# Altium PCB KORUZA_RPi_shield.PcbDoc
Units mil, origin at the board's own origin, x right, y up, seen from the top; angles counter-clockwise.
Board outline 2562.17 x 2565 mil, 2 copper layers (Top Layer, Bottom Layer); 72 components, 65 nets, 278 pads, 144 vias.
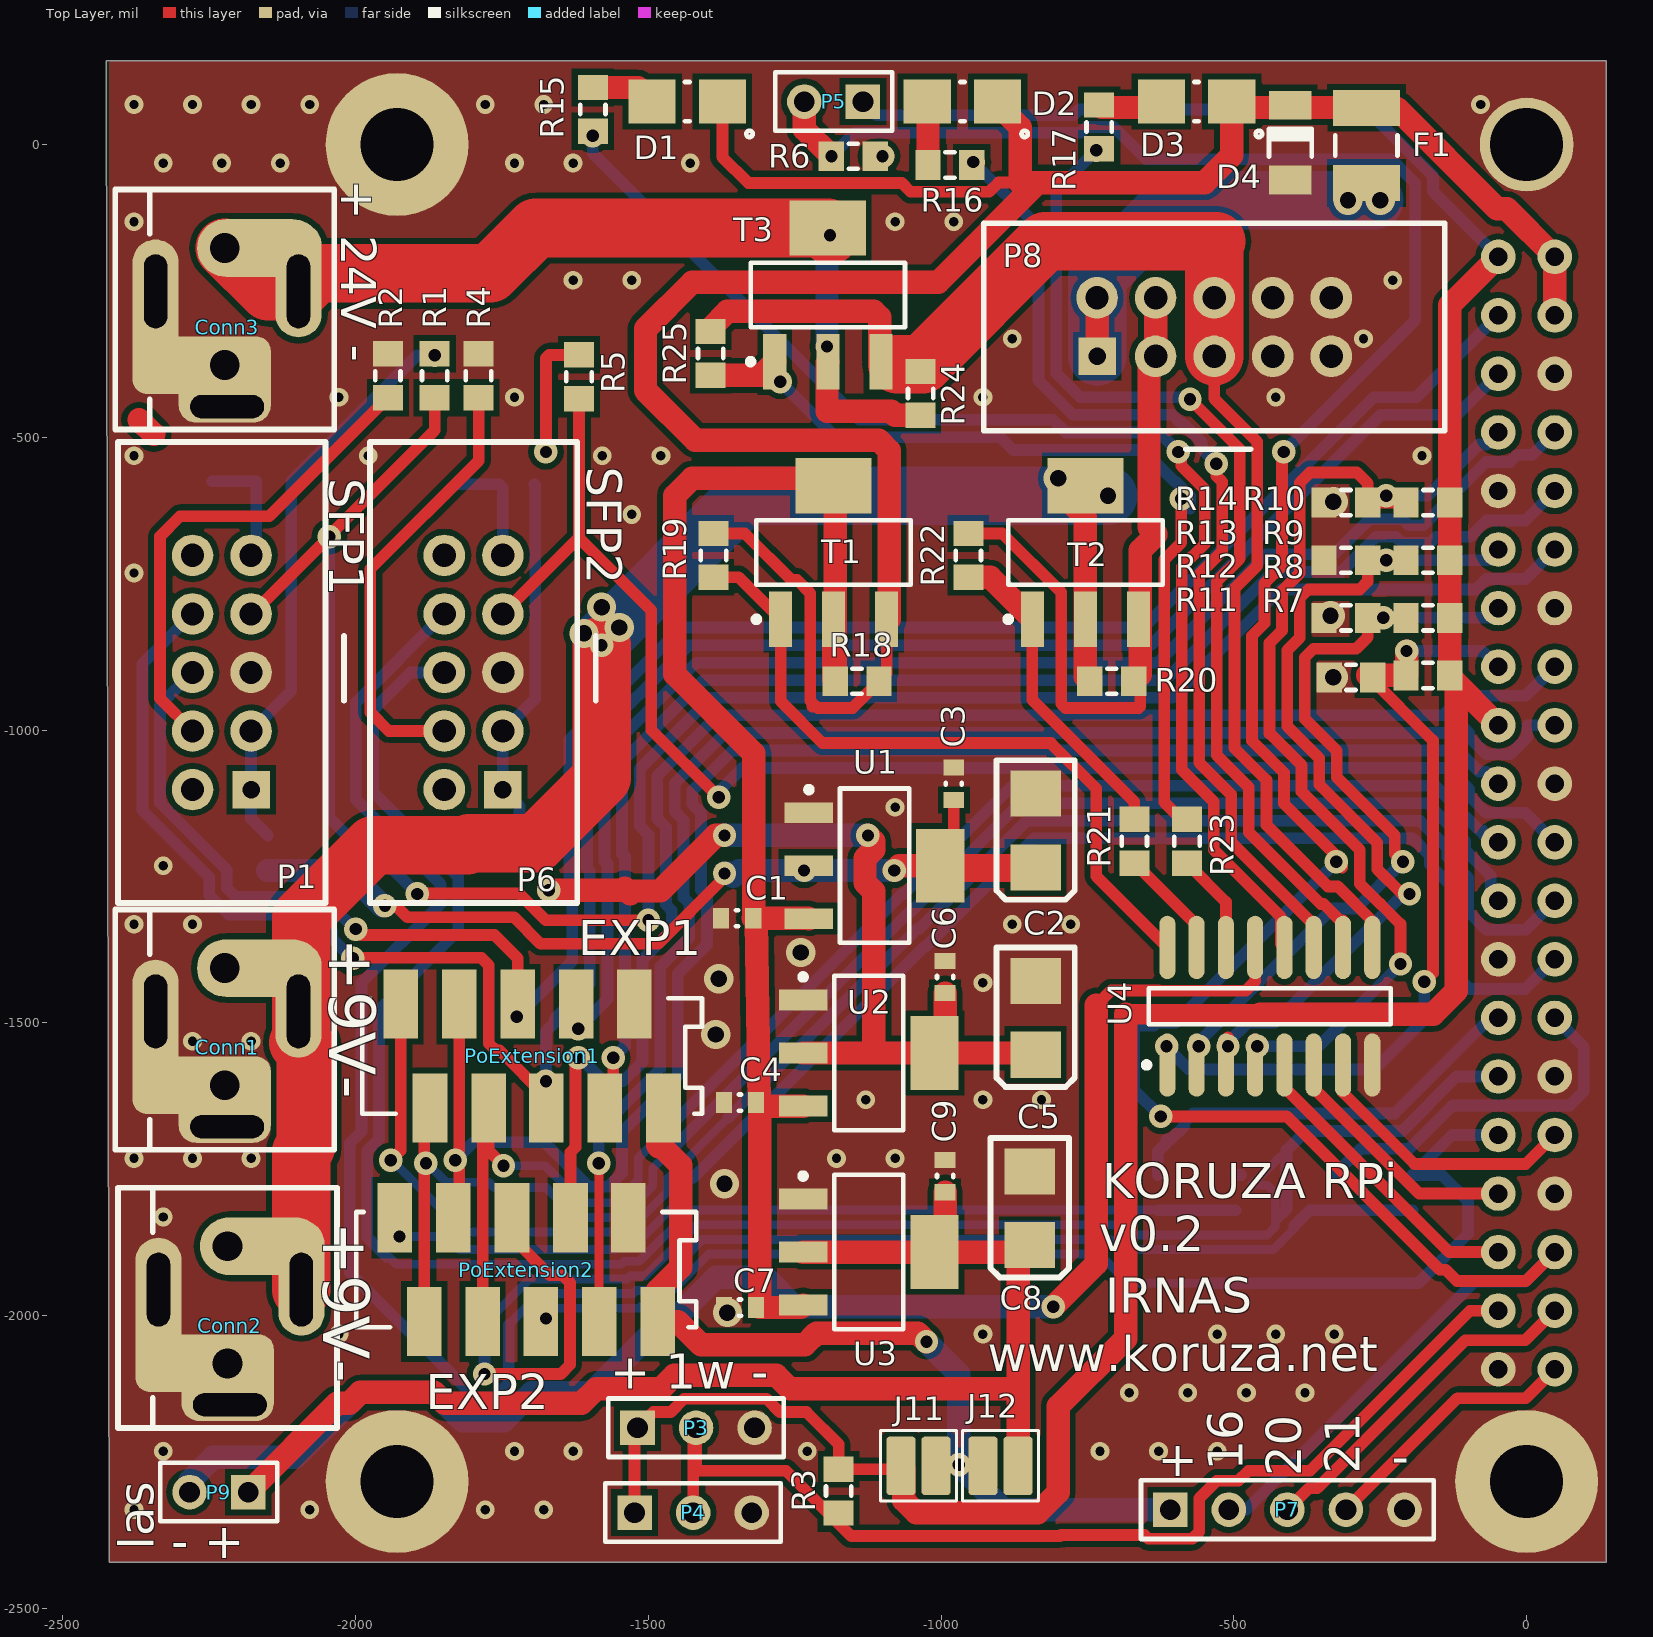
[diagram p0: Top Layer view]
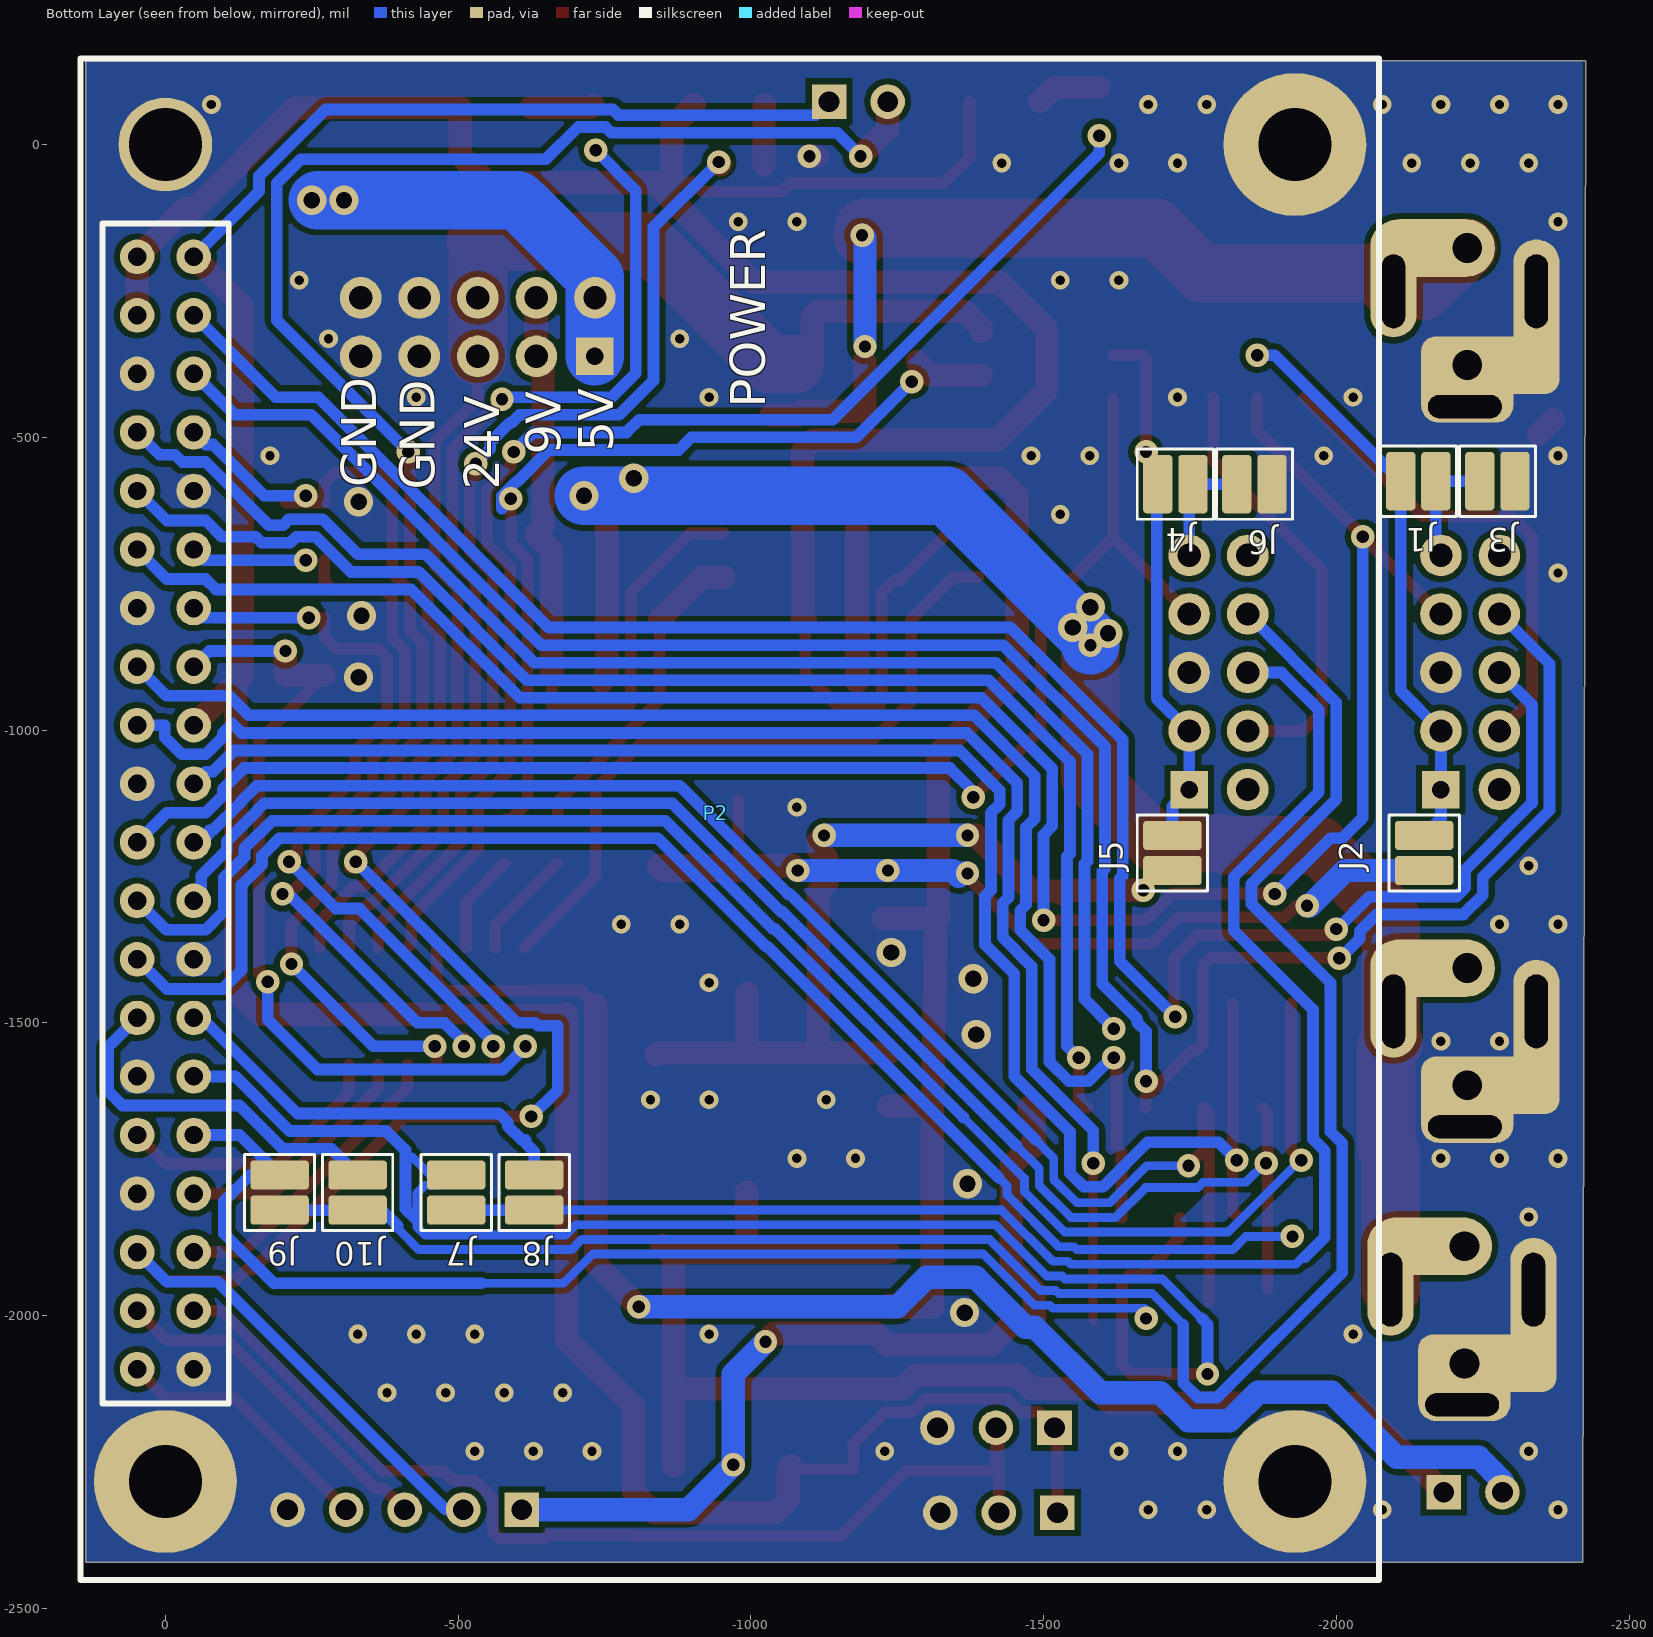
[diagram p1: Bottom Layer view, seen from below]

## Layer stack, top to bottom
Top Solder: solder mask 0.4, Solder Resist, Dk 3.5
Top Layer: signal copper 1.4
Dielectric 1: dielectric 12.6, FR-4, Dk 4.8
Bottom Layer: signal copper 1.4
Bottom Solder: solder mask 0.4, Solder Resist, Dk 3.5

## Board outline
-2425.8,143.27 136.38,143.27 136.38,-2421.73 -2420.8,-2421.73

## Design rules (kind name [scope] priority, off if disabled: settings)
Clearance Clearance_1 [All] p1: gap=10
ComponentClearance ComponentClearance_1 [InComponent('P1')] p1: gap=0 collisioncheckmode=3 verticalgap=0 showdistances=FALSE
MinimumSolderMaskSliver SilkscreenOverComponentPads [All] p2: minsoldermaskwidth=10
PolygonConnect PolygonConnect_2 [IsVia] p1: connectstyle=Direct reliefconductorwidth=10 reliefentries=4 polygonreliefangle="90 Angle" airgapwidth=10
PolygonConnect [All] p2: connectstyle=Direct reliefconductorwidth=10 reliefentries=4 polygonreliefangle="90 Angle" airgapwidth=10
RoutingVias [All] p1: holewidth=21 width=40 viastyle="Through Hole" minholewidth=21 minwidth=30 maxholewidth=21 maxwidth=40
SolderMaskExpansion [All] p1: expansion=4
UnpouredPolygon [All] p1: allowunpoured=FALSE
Width [All] p1: maxlimit=100 minlimit=15 preferedwidth=40
28 further rules are at their usual default settings.

## Classes and differential pairs
component class KORUZA_RPi_shield_power: C1 C2 C3 C4 C5 C6 C7 C8 C9 Conn1 Conn2 Conn3 D4 F1 J11 J12 P8 P9 R18 R19 R20 R21 R22 R23 R24 R25 T1 T2 T3 U1 U2 U3 U4
component class KORUZA_RPi_shield: D1 D2 D3 J1 J2 J3 J4 J5 J6 J7 J8 J9 J10 P1 P2 P3 P4 P5 P6 P7 PoExtension1 PoExtension2 R1 R2 R3 R4 R5 R6 R7 R8 R9 R10 R11 R12 R13 R14 R15 R16 R17

## Components (designator, comment, footprint, x,y, rotation, side; value= is the part's Value field where it differs from the comment)
C1 "Capacitor" 0603 -1348.62,-1321.73 r180 top
C2 "TAJB106K020R" AVX-CAPC3528_V -838.62,-1171.73 r90 top
C3 "Capacitor" 0603 -978.62,-1091.73 r90 top
C4 "Capacitor" 0603 -1343.62,-1636.73 r180 top
C5 "TAJB106K020R" AVX-CAPC3528_V -838.62,-1491.73 r90 top
C6 "Capacitor" 0603 -993.62,-1421.73 r90 top
C7 "Capacitor" 0603 -1343.62,-1986.73 r180 top
C8 "TAJB106K020R" AVX-CAPC3528_V -848.62,-1816.73 r90 top
C9 "Capacitor" 0603 -993.62,-1761.73 r90 top
Conn1 "DC power input" "MKDSN 2,5/ 2-5,08 and powercon" -2223.62,-1606.73 r180 top
Conn2 "DC power input" "MKDSN 2,5/ 2-5,08 and powercon" -2218.62,-2081.73 r180 top
Conn3 "DC power input" "MKDSN 2,5/ 2-5,08 and powercon" -2223.62,-376.73 r180 top
D1 "LED" "1206/0805 diode" -1433.62,73.27 r180 top
D2 "LED" "1206/0805 diode" -963.62,73.27 r180 top
D3 "LED" "1206/0805 diode" -563.62,73.27 r180 top
D4 "Zener" DIOMELF3517N -403.62,3.27 r270 top
F1 "1A" 1210 -273.62,-1.73 r90 top
J1 "Jumper" JUMP1#1 -2140,-575 r0 bottom
J2 "Jumper" JUMP1#1 -2150,-1210 r90 bottom
J3 "Jumper" JUMP1#1 -2275,-575 r0 bottom
J4 "Jumper" JUMP1#1 -1725,-580 r0 bottom
J5 "Jumper" JUMP1#1 -1720,-1210 r90 bottom
J6 "Jumper" JUMP1#1 -1860,-580 r0 bottom
J7 "Jumper" JUMP1#1 -496.67,-1790 r270 bottom
J8 "Jumper" JUMP1#1 -630,-1790 r90 bottom
J9 "Jumper" JUMP1#1 -195,-1790 r270 bottom
J10 "Jumper" JUMP1#1 -328.33,-1790 r90 bottom
J11 "Jumper" JUMP1#2 -1038.62,-2256.73 r0 top
J12 "Jumper" JUMP1#2 -898.62,-2256.73 r0 top
P1 "IDC10" IDC10 -2228.62,-901.73 r180 top
P2 "RaspberryPI 2B" RaspberryPI_B+ -2018.62,-1141.73 r180 bottom
P3 "Header 3" HDR1X3 -1518.62,-2191.73 r0 top
P4 "Header 3" HDR1X3 -1523.62,-2336.73 r0 top
P5 "Header 2" HDR1X2 -1133.62,73.27 r180 top
P6 "IDC10" IDC10 -1798.62,-901.73 r180 top
P7 "Header 5" HDR1X5 -608.62,-2331.73 r0 top
P8 "IDC10" IDC10 -533.62,-311.73 r90 top
P9 "Header 2" HDR1X2 -2183.62,-2301.73 r180 top
PoExtension1 "" 8-188275-0 -1698.62,-1556.73 r180 top
PoExtension2 "" 8-188275-0 -1708.62,-1921.73 r180 top
R1 "10k" RESC2012X06N -1865,-395 r270 top
R2 "0" RESC2012X06N -1945,-395 r270 top
R3 "4k7" RESC2012X06N -1175,-2300 r90 top
R4 "0" RESC2012X06N -1790,-395 r90 top
R5 "10k" RESC2012X06N -1618.62,-396.73 r270 top
R6 "4k7" RESC2012X06N -1150,-20 r180 top
R7 "10k" RESC2012X06N -168.62,-906.73 r0 top
R8 "10k" RESC2012X06N -168.62,-808.4 r0 top
R9 "10k" RESC2012X06N -168.62,-710.07 r0 top
R10 "10k" RESC2012X06N -168.62,-611.73 r0 top
R11 "10k" RESC2012X06N -300,-910 r0 top
R12 "10k" RESC2012X06N -308.62,-808.4 r0 top
R13 "10k" RESC2012X06N -308.62,-710.07 r0 top
R14 "10k" RESC2012X06N -308.62,-611.73 r0 top
R15 "1k" RESC2012X06N -1595,60 r90 top
R16 "1k" RESC2012X06N -985,-35 r180 top
R17 "1k" RESC2012X06N -730,30 r90 top
R18 "0" RESC2012X06N -1143.62,-916.73 r0 top
R19 "10k" RESC2012X06N -1388.62,-701.73 r90 top
R20 "0" RESC2012X06N -708.62,-916.73 r0 top
R21 "10k" RESC2012X06N -670,-1190 r90 top
R22 "10k" RESC2012X06N -953.62,-701.73 r90 top
R23 "10k" RESC2012X06N -580,-1190 r270 top
R24 "0" RESC2012X06N -1035,-425 r90 top
R25 "10k" RESC2012X06N -1393.62,-356.73 r90 top
T1 "NDT2955" SOT230P700X180-4N -1183.62,-696.73 r90 top
T2 "NDT2955" SOT230P700X180-4N -753.62,-696.73 r90 top
T3 "NDT2955" SOT230P700X180-4N -1193.62,-256.73 r90 top
U1 "LD1117S33TR" SOT-223_L -1113.62,-1231.73 r0 top
U2 "LD1117S33TR" SOT-223_L -1123.62,-1551.73 r0 top
U3 "LD1117S33TR" SOT-223_L -1123.62,-1891.73 r0 top
U4 "ULN2003" "SO-16 narrow" -438.62,-1471.73 r90 top

## Footprints (in the part's own frame and the unit in brackets; to place one, negate y for a bottom-side part, rotate by r counter-clockwise, add the part's x,y. Pads: shape width x height; smd on the part's side, far side on the other; paste and mask are expansions set on the pad)
8-188275-0 [mm] "Micro-Match Female-On-Board  10 Positions SMD"
  rect 1.5x3 smd: 1(-5.7,2.25) 2(-4.43,-2.25) 3(-3.16,2.25) 4(-1.92,-2.25) 5(-0.62,2.25) 6(0.62,-2.25) 7(1.89,2.25) 8(3.16,-2.25) 9(4.43,2.25) 10(5.7,-2.25)
  silkscreen extent -7.37,-2.5 7.37,2.5, body extent -7.31,-3.45 7.32,3.45, height 5.3
0603 [mm] "Chip Resistor, 2-Leads, Body 1.6x0.8mm, IPC Medium Density"
  rect 0.7x0.9 smd: 1(-0.703,-0.008) 2(0.697,-0.008)
  silkscreen extent -0.05,-0.36 0.05,0.34, body extent -0.85,-0.48 0.85,0.47, height 0.6
"1206/0805 diode" [mm] "Chip Diode, 2-Leads, Body 3,50x1,60mm, IPC Low Density"
  rect 2.05x1.9 smd: 1(-1.525,0) 2(1.525,0)
  silkscreen extent -2.84,-0.85 0.1,1.54, body extent -2,-0.9 2,0.9, height 3
1210 [mm]
  rect 1.55x2.9 smd: 1(-1.625,0) 2(1.625,0)
  silkscreen extent -0.45,-1.35 0.45,1.35, body extent -1.75,-1.38 1.75,1.37, height 0.63
AVX-CAPC3528_V [mm] "SMT Capacitor, 2 Leads, Body 3.5x2.8mm"
  rect 2x2.2 smd: 1(-1.6,0) 2(1.6,0)
  silkscreen extent -3,-1.7 3.05,1.7, body extent -1.79,-1.54 1.8,1.54, height 1.9
DIOMELF3517N [mm] "MELF Diode, 2-Leads, Body 3.5x1.7mm, IPC Medium Density"
  rect 1.25x1.85 smd: 1(-1.625,0) 2(1.625,0)
  silkscreen extent -0.6,-0.93 0.6,0.92, body extent -1.85,-0.85 1.85,0.85, height 1.7
HDR1X2 [mm] "Connector; Header; 2 Position"
  rect 1.5x1.5 hole 0.9: 1(0,0)
  round 1.5 hole 0.9: 2(2.54,0)
  silkscreen extent -1.27,-1.27 3.81,1.27
HDR1X3 [mm] "Connector; Header; 3 Position"
  rect 1.5x1.5 hole 0.9: 1(0,0)
  round 1.5 hole 0.9: 2(2.54,0) 3(5.08,0)
  silkscreen extent -1.27,-1.27 6.35,1.27
HDR1X5 [mm] "Connector; Header; 5 Position"
  rect 1.5x1.5 hole 0.9: 1(0,0)
  round 1.5 hole 0.9: 2(2.54,0) 3(5.08,0) 4(7.62,0) 5(10.16,0)
  silkscreen extent -1.27,-1.27 11.43,1.27
IDC10 [mm] "2.54mm header 2x5"
  rect 1.624x1.624 hole 0.762: 1(-1.27,5.08)
  round 1.8 hole 1.01: 2(1.27,5.08) 3(-1.27,2.54) 4(1.27,2.54) 5(-1.27,0) 6(1.27,0) 7(-1.27,-2.54) 8(1.27,-2.54) 9(-1.27,-5.08) 10(1.27,-5.08)
  silkscreen extent -5.3,-10 4.5,10
JUMP1#1 [mil] "SMT Battery jumper pads"
  rrect25% 50x100 smd: 1(-30,0) 2(30,0)
  rrect25% 118x108 on Bottom Solder: SM(0,0)
  silkscreen extent -65,-60 65,60
JUMP1#2 [mil] "SMT Battery jumper pads"
  rrect25% 50x100 smd: 1(-30,0) 2(30,0)
  rrect25% 118x108 on Top Solder: SM(0,0)
  silkscreen extent -65,-60 65,60
"MKDSN 2,5/ 2-5,08 and powercon" [mm] "combined footprint"
  rrect50% 4x3 hole 1 slot 3.2 at 0 deg copper offset 0.1,-0.8: 1(-0.1,1.8)
  rrect50% 6x2.5 hole 1.3 copper offset 1,0: 1(0,0)
  oval 2x6.5 hole 1 slot 3.2 at 90 deg copper offset 0,1: 1(3,-3.2)
  oval 2x5 hole 1 slot 3.2 at 90 deg copper offset 0,-0.5: 2(-3.2,-3.2)
  oval 5.4x2.5 hole 1.3 copper offset -1.5,0: 2(0,-5.08)
  silkscreen extent -4.75,-7.62 4.75,2.8, body extent -4.88,-7.75 10.5,2.67, height 15
RaspberryPI_B+ [mm] "RaspberryPI B+ shield"
  round 1.5 hole 0.8: 1(-50.048,24.13) 2(-52.498,24.13) 3(-50.048,21.59) 4(-52.498,21.59) 5(-50.048,19.05) 6(-52.498,19.05) 7(-50.048,16.51) 8(-52.498,16.51) 9(-50.048,13.97) 10(-52.498,13.97) 11(-50.048,11.43) 12(-52.498,11.43) 13(-50.048,8.89) 14(-52.498,8.89) 15(-50.048,6.35) 16(-52.498,6.35) 17(-50.048,3.81) 18(-52.498,3.81) 19(-50.048,1.27) 20(-52.498,1.27) 21(-50.048,-1.27) 22(-52.498,-1.27) 23(-50.048,-3.81) 24(-52.498,-3.81) 25(-50.048,-6.35) 26(-52.498,-6.35) 27(-50.048,-8.89) 28(-52.498,-8.89) 29(-50.048,-11.43) 30(-52.498,-11.43) 31(-50.048,-13.97) 32(-52.498,-13.97) 33(-50.048,-16.51) 34(-52.498,-16.51) 35(-50.048,-19.05) 36(-52.498,-19.05) 37(-50.048,-21.59) 38(-52.498,-21.59) 39(-50.048,-24.13) 40(-52.498,-24.13)
  round 4.064 hole 3.175: 41(-51.273,29)
  round 6.2 hole 3.175: 42(-2.273,29) 43(-51.273,-29) 44(-2.273,-29)
  silkscreen extent -54.95,-33.28 1.38,32.72, body extent -54.7,-54.6 3.8,32.55, height 4.2
RESC2012X06N [mm] "Chip Resistor, 2-Leads, Body 2.0x1.2mm, IPC Medium Density"
  rect 1.1x1.3 smd: 1(-0.95,0) 2(0.95,0)
  silkscreen extent -0.2,-0.55 0.2,0.55, body extent -1.08,-0.62 1.07,0.63, height 0.6
"SO-16 narrow" [mm] "SOIC, 16-Leads, Body 10.30x3.90mm, Pitch 1.27mm, IPC Low Density"
  oval 2.75x0.7 smd: 1(-2.55,4.445) 2(-2.55,3.175) 3(-2.55,1.905) 4(-2.55,0.635) 5(-2.55,-0.635) 6(-2.55,-1.905) 7(-2.55,-3.175) 8(-2.55,-4.445) 9(2.55,-4.445) 10(2.55,-3.175) 11(2.55,-1.905) 12(2.55,-0.635) 13(2.55,0.635) 14(2.55,1.905) 15(2.55,3.175) 16(2.55,4.445)
  silkscreen extent -2.67,-5.25 0.77,5.47, body extent -2,-5.25 2,5.25, height 2.65
SOT230P700X180-4N [mm] "SOT223, 4-Leads, Body 6,50x7,00mm (avg), Pitch 2,30mm, IPC Medium Density"
  rect 2.4x1 smd: 1(-2.9,2.3) 2(-2.9,0) 3(-2.9,-2.3)
  rect 2.4x3.3 smd: 4(2.9,0)
  silkscreen extent -3.02,-3.35 1.4,3.47, body extent -1.85,-3.35 1.85,3.35, height 1.8
SOT-223_L [mm] "SOT223, 4-Leads, Body 6.5x3.5mm, Pitch 2.3mm, Lead Span 7mm, IPC High Density"
  rect 2.1x0.9 smd: 1(-2.85,2.3) 2(-2.85,0) 3(-2.85,-2.3)
  rect 2.1x3.2 smd: 4(2.85,0)
  silkscreen extent -2.97,-3.35 1.5,3.42, body extent -1.85,-3.35 1.85,3.35, height 1.8

## Part data
C1 C3 C4 C6 C7 C9: "General capacitor"
C2 C5 C8: library part CMP-0279-00001-1, "Capacitor, Tantalum, 10uF 10% 20V MCCT-B (3528)"
Conn1 Conn2 Conn3: library part PowerScrewTerminal
D1 D2 D3: "LED diode"
F1: library part Fuse, "1A fuse"
J1 J2 J3 J4 J5 J6 J7 J8 J9 J10 J11 J12: library part JUMP1, "SMD jumper"
P1 P6 P8: "IDC 10pin"
P2: "RPi2"
P3 P4: "Header, 3-Pin"
P5 P9: "Header, 2-Pin"
P7: "Header, 5-Pin"
PoExtension1 PoExtension2: library part 1-215079-0, "Micro-Match female PCB connector 10 Positions THT"
R1 R2 R3 R4 R5 R6 R7 R8 R9 R10 R11 R12 R13 R14 R15 R16 R17 R18 R19 R20 R21 R22 R23 R24 R25: library part Resistor, "Resistor 0805 smd"
T1 T2 T3: "P MOSFET"
U1 U2 U3: library part CMP-0244-00310-1, "Fixed Low Drop Positive Voltage Regulator, 3.3V, 4-Pin SOT-223, Tape and Reel"
U4: "Darlington array"

## Via types
v1: diameter 32, hole 16, Top Layer to Bottom Layer, tented both sides, 70 vias
v2: diameter 40, hole 21, Top Layer to Bottom Layer, tented both sides, 59 vias
v3: diameter 50, hole 28, Top Layer to Bottom Layer, tented both sides, 15 vias

## Nets (pads, with @x,y where several pads share a name; then routed paths per layer and width w, separated by ;. In a path a pad name is that pad's centre, name@x,y a point inside that pad or via, vN(x,y) a via of type N, cw(c..) or ccw(c..) an arc to the next point about the centre after c; other vN are vias at no path point)
1WIRE: P2.37 P3.2 P4.2 R3.1 | length 1833.2
  Top Layer w20: P4.2 -1423.62,-2196.73 P3.2 -1418.62,-2261.38 -1415,-2265 -1265,-2265 -1153.27,-2376.73 -797.05,-2376.73 -795.32,-2375 -652.69,-2375 -646.43,-2381.26 -570.81,-2381.26 -559.1,-2369.54 -559.1,-2312.16 -529.14,-2282.2 -492.2,-2282.2 -475,-2265 -370,-2265 -96.73,-1991.73 P2.37
5V: D1.1 D2.1 D3.1 D4.1 F1.2 P2.2 P2.4 R18.2 R19.2 T1.3 | length 4281.1
  Top Layer w20: R19.2 -1335.67,-664.33 -1256.34,-743.66 -1246.2,-743.66 -1223.62,-766.24 -1223.62,-949.66 -1220,-953.29 -1220,-960 -1213.29,-960 -1210.96,-962.32 -1151.09,-962.32 -1106.22,-917.46 R18.2 -1093.07,-903.58 T1.3 ; D1.1 -1373.58,-21.42 -1329.41,-65.59 -1067.34,-65.59 -1052.34,-80.59 -917.66,-80.59 -902.07,-65 -865,-65
  Top Layer w40: T1.3 -1088.66,-810.91 -1088.66,-522.89 -1106.24,-505.31 -1419.69,-505.31 -1505,-420 -1505,-315 -1425,-235 -1005,-235 -835,-65 ; D2.1@-903.58,68.27 -865,29.68 -865,-65 -835,-65 ; P2.4 P2.2 -33.5,-110 -50,-110 -222.24,62.24 F1.2 -274.65,63.27 -503.58,63.27 -503.58,-18.58 -550,-65 -835,-65
CS0: P2.24 PoExtension1.10 | length 2757.3
  Top Layer w20: v2(-1940,-1735) -1923.03,-1718.03 PoExtension1.10
  Bottom Layer w15: v2(-1940,-1735) -1938.03,-1735 -1815.53,-1857.5 -1536.33,-1857.5 -1467.5,-1788.67 -1467.5,-1766.2 -1363.15,-1661.85
  Bottom Layer w20: -1363.15,-1661.85 -1041.3,-1340 -1038.58,-1340 -853.58,-1155 -182.28,-1155 -135,-1202.28 -135,-1217.43 -100,-1252.43 -100,-1310 -68.74,-1341.26 -1.3,-1341.26 P2.24
CS1: P2.26 PoExtension2.10 | length 2503.9
  Bottom Layer w15: v2(-1925,-1865) -1845.36,-1865 -1822.86,-1887.5 -1556.95,-1887.5 -1551.95,-1882.5 -1525.97,-1882.5 -1437.5,-1794.03 -1437.5,-1778.63 -1423.62,-1764.75
  Bottom Layer w20: -1423.62,-1764.75 -1028.87,-1370 -1026.15,-1370 -841.15,-1185 -194.71,-1185 -165,-1214.71 -165,-1229.86 -130,-1264.86 -130,-1410 -97.8,-1442.2 -2.24,-1442.2 P2.26
GND: C1.2 C2.2 C3.2 C4.2 C5.2 C6.2 C7.2 C8.2 C9.2 Conn1.1 Conn2.1 Conn3.1 D4.2 J3.1 J6.1 P1.5 P2.6 P2.9 P2.14 P2.20 P2.25 P2.30 P2.34 P2.39 P2.41 P2.42 P2.43 P2.44 P3.3 P4.3 P6.5 P7.5 P8.7 P8.8 P8.9 P8.10 PoExtension1.2 PoExtension2.2 R2.1 R4.2 R6.1 R11.1 R12.1 R13.1 R14.1 U1.1 U2.1 U3.1 U4.8 | length 12.6
  Top Layer w40: R6.1 v2(-1100,-20)
  other v1: -2378.62,-2331.73 -2078.62,-2331.73 -1778.62,-2331.73 -1678.62,-2331.73 -2328.62,-2231.73 -1728.62,-2231.73 -1628.62,-2231.73 -1228.62,-2231.73 -728.62,-2231.73 -628.62,-2231.73 -528.62,-2231.73 -678.62,-2131.73 -578.62,-2131.73 -478.62,-2131.73 -378.62,-2131.73 -2028.62,-2031.73 -928.62,-2031.73 -528.62,-2031.73 -428.62,-2031.73 -328.62,-2031.73 -2328.62,-1831.73 -2378.62,-1731.73 -2278.62,-1731.73 -2178.62,-1731.73 -1178.62,-1731.73 -1078.62,-1731.73 -1128.62,-1631.73 -928.62,-1631.73 -828.62,-1631.73 -2278.62,-1531.73 -2178.62,-1531.73 -928.62,-1431.73 -2378.62,-1331.73 -2278.62,-1331.73 -878.62,-1331.73 -778.62,-1331.73 -2328.62,-1231.73 -1078.62,-1131.73 -2378.62,-731.73 -1528.62,-631.73 -2378.62,-531.73 -1978.62,-531.73 -1578.62,-531.73 -1478.62,-531.73 -178.62,-531.73 -2028.62,-431.73 -1728.62,-431.73 -928.62,-431.73 -428.62,-431.73 -878.62,-331.73 -278.62,-331.73 -1628.62,-231.73 -1528.62,-231.73 -228.62,-231.73 -2378.62,-131.73 -1078.62,-131.73 -978.62,-131.73 -2328.62,-31.73 -2228.62,-31.73 -2128.62,-31.73 -1728.62,-31.73 -1628.62,-31.73 -1428.62,-31.73 -2378.62,68.27 -2278.62,68.27 -2178.62,68.27 -2078.62,68.27 -1778.62,68.27 -1678.62,68.27 -78.62,68.27
  other v3: -1365,-1995 -1370,-1775 -1385,-1520 -1380,-1425 -1240,-1380 -330,-910 -335,-805 -330,-610
GPIO16: P2.36 P5.2 P7.2 R6.2 | length 4702.7
  Top Layer w20: v2(-625,-1660) -410,-1660 -148.27,-1921.73 -138.27,-1921.73 -118.74,-1941.26 -1.3,-1941.26 P2.36 ; v2(-415,-525) -417.68,-527.68 -417.68,-719.67 -447.68,-749.67 -447.68,-817.47 -469.06,-838.85 -469.06,-1018.31 -414.41,-1072.95 -414.41,-1125.59 -315,-1225 v2@-315,-1235
  Top Layer w40: P5.2 -1233.62,26.22 v2(-1187.4,-20)
  Bottom Layer w20: v2(-1187.4,-20) -1147.4,20 -761.57,20 -751.57,30 -705,30 -650,-25 -231.01,-25 -190,-66.01 -190,-300 v2(-415,-525) ; v2(-625,-1660) -670,-1615 -670,-1505 -636.57,-1505 -631.57,-1500 -600,-1500 v2(-325,-1225) ; P7.2 -478.67,-2331.73 -89.14,-1942.2 -2.24,-1942.2 P2.36
GPIO20: P2.38 P7.3 | length 597.7
  Top Layer w20: P7.3 -371.89,-2295 -357.57,-2295 -104.78,-2042.2 -2.24,-2042.2 P2.38
GPIO21: P2.40 P7.4 | length 456.3
  Top Layer w20: P7.4 -118.15,-2141.26 -1.3,-2141.26 P2.40
MISO: P2.21 PoExtension1.7 PoExtension2.7 | length 2531.3
  Top Layer w20: PoExtension2.7@-1783.03,-1976.57 -1783.03,-1655.32 PoExtension1.7 -1773.03,-1718.59 v2(-1747.53,-1744.09)
  Bottom Layer w15: v2(-1747.53,-1744.09) -1676.36,-1744.09 -1612.96,-1807.5 -1557.04,-1807.5 -1517.5,-1767.96 -1517.5,-1731.35 -1486.15,-1700
  Bottom Layer w20: -1486.15,-1700 -1066.15,-1280 -1063.43,-1280 -878.43,-1095 -156.15,-1095 -127.76,-1123.4 -127.76,-1124.67 -81.17,-1171.26 -75,-1171.26 -75,-1177.43 -60.7,-1191.73 P2.21
MOSI: P2.19 PoExtension1.8 PoExtension2.8 | length 2860.3
  Top Layer w20: PoExtension2.8 -1823.03,-1823.15 PoExtension1.8
  Bottom Layer w20: v2(-1830,-1735) -1799.09,-1704.09 -1677.47,-1704.09 -1601.57,-1780 -1568.43,-1780 -1545,-1756.57 -1545,-1686.42 -1450,-1591.42 -1450,-1416.42 -1400,-1366.42 -1400,-1283.58 -1410,-1273.58 -1410,-1141.57 -1425,-1126.57 -1425,-1103.43 -1356.57,-1035 -117.63,-1035 -117.53,-1034.9 -81.17,-1071.26 -68.7,-1071.26 P2.19
N_OUT_4: P9.2 U4.13 | length 2591.2
  Top Layer w20: -735,-1470 -710,-1445 -628.09,-1445 -627.61,-1445.47 -479.84,-1445.47 -463.62,-1429.25 U4.13
  Top Layer w40: v2(-808.43,-1985) -735,-1911.57 -735,-1470
  Bottom Layer w40: P9.2 -2283.62,-2282.68 -2243.15,-2242.2 -2102.9,-2242.2 -1992.11,-2131.42 -1866.15,-2131.42 -1817.57,-2180 -1746.86,-2180 -1699.07,-2132.2 -1597.2,-2132.2 -1485,-2020 -1469.02,-2020 -1384.02,-1935 -1300,-1935 -1250,-1985 v2(-808.43,-1985)
N_OUT_5: R15.1 U4.12 | length 2195.1
  Top Layer w20: v2(-595,-525) -590,-530 -590,-548.43 -550,-588.43 -550,-682.29 -589.06,-721.34 -589.06,-1068.01 -534.41,-1122.66 -534.41,-1204.44 -420,-1318.85 -420,-1364.96 U4.12
  Bottom Layer w20: v2(-1595,15) -1595,-15 -1140,-470 -809.2,-470 -787.47,-491.73 -628.27,-491.73 v2(-595,-525)
N_OUT_6: R16.1 U4.11 | length 1723.8
  Top Layer w20: v2(-530,-545) -530,-566.01 -520,-576.01 -520,-694.71 -559.06,-733.77 -559.06,-1055.59 -504.41,-1110.23 -504.41,-1192.01 -366.42,-1330 -363.62,-1330 U4.11
  Top Layer w40: R16.1 -947.6,-32.6 v2(-945,-30)
  Bottom Layer w20: v2(-945,-30) -833.62,-141.38 -833.62,-403.15 -775.04,-461.73 -604.84,-461.73 -591.57,-475 -588.43,-475 -555,-508.43 -555,-520 v2(-530,-545)
N_OUT_7: R17.1 U4.10 | length 1739.1
  Top Layer w20: v2(-575,-435) -490,-520 -490,-707.14 -529.06,-746.2 -529.06,-1043.16 -474.41,-1097.81 -474.41,-1174.59 -351.79,-1297.2 -346.79,-1297.2 -318.99,-1325 -313.62,-1325 U4.10
  Bottom Layer w20: v2(-735,-10) -803.62,-78.62 -803.62,-390.73 -762.62,-431.73 -578.27,-431.73 v2(-575,-435)
NetConn1_2: Conn1.2 Conn2.2 R20.1 T2.2 T2.4 | length 2803.7
  Top Layer w40: T2.4@-790,-600 -753.62,-636.38 T2.2 -753.62,-909.13 R20.1
  Top Layer w100: Conn1.2@-2097.64,-1534.32 Conn1.2@-2092.64,-1539.32 ; Conn2.2@-2092.64,-1955.75 -2092.64,-1720.47 -2084.88,-1712.71 -2084.88,-1539.32 Conn1.2@-2092.64,-1539.32 ; v2(-1580,-855) -1580,-1081.9 -1691.8,-1193.7 -1805.63,-1193.7 -1809.09,-1197.17 -1970.3,-1197.17 -2092.64,-1319.5 Conn1.2@-2092.64,-1539.32
  Bottom Layer w100: v2(-1580,-855) -1580,-845 -1335,-600 v3(-715,-600)
  other v3: -1610,-835 -1550,-825 -1580,-790 -800,-570
NetConn3_2: Conn3.2 R24.1 T3.2 T3.4 | length 1559.4
  Top Layer w40: T3.2 -1195,-372.28 -1195,-455.31 -1085.53,-455.31 -1078.44,-462.4 R24.1
  Top Layer w100: Conn3.2@-2223.62,-176.73 -2149.61,-250.75 -2097.64,-250.75 -2066.89,-220 -1770,-220 -1692.56,-142.56 T3.4 -1193.62,-151.38 v2(-1190,-155)
  Bottom Layer w40: v2(-1195,-345) -1195,-160 v2(-1190,-155)
NetD1_2: D1.2 R15.2 | length 111.3
  Top Layer w40: R15.2 -1517.8,97.4 D1.2
NetD2_2: D2.2 R16.2 | length 103.8
  Top Layer w40: D2.2@-1023.66,68.27 -1022.4,67.01 R16.2
NetD3_2: D3.2 R17.2 | length 108.1
  Top Layer w40: R17.2 -725.87,63.27 D3.2@-623.66,63.27
NetR19_1: R19.1 T1.1 U4.16 | length 1206.8
  Top Layer w20: R19.1 -1345.95,-739.13 T1.1 -1274.17,-950.83 -1202.68,-1022.32 -812.53,-1022.32 -735,-1099.85 -735,-1175 -734.96,-1175.04 -734.96,-1250 U4.16
NetR21_1: R21.1 U4.15 | length 188.3
  Top Layer w20: R21.1 -669.43,-1227.4 -563.62,-1333.21 U4.15
NetR21_2: R21.2 R22.1 T2.1 | length 553
  Top Layer w20: T2.1 -844.17,-948.25 -670,-1122.43 R21.2
  Top Layer w40: R22.1 -915.95,-739.13 T2.1
NetR23_1: R23.1 R25.1 T3.1 | length 1525.8
  Top Layer w20: v2(-590,-605) -590,-679.86 -619.06,-708.92 -619.06,-1123.37 -589.83,-1152.6 R23.1
  Top Layer w40: R25.1 -1307.4,-394.13 T3.1
  Bottom Layer w20: v2(-1275,-405) -1180,-500 -898.64,-500 -876.91,-521.73 -654.84,-521.73 -601.57,-575 -600,-575 -575,-600 -575,-621.57 -590,-606.57 v2(-590,-605)
NetR23_2: R23.2 U4.14 | length 171.4
  Top Layer w20: R23.2 -513.62,-1293.78 U4.14
PSU_5V: F1.1 P8.1 P8.2 | length 763.2
  Top Layer w40: P8.1 P8.2
  Bottom Layer w100: P8.1 P8.2 -733.62,-226.77 -611.85,-105 -611.01,-105 -601.01,-95 v3@-260,-95
  other v3: -305,-95 -250,-95
PSU_9V: P8.3 P8.4 R20.2 R22.2 T2.3 | length 1264.8
  Top Layer w20: R22.2 -895.54,-664.33 -795,-764.87 -795,-955 -787.68,-962.32 -662.32,-962.32 -660,-960 -660,-905.51 R20.2
  Top Layer w40: R20.2@-660,-905.51 -660,-693.29 -633.62,-666.92 -633.62,-665 ; -634.29,-664.33 -633.62,-665 ; P8.4 P8.3 -645,-373.11 -645,-653.62 -633.62,-665
PSU_24V: P8.5 P8.6 R24.2 R25.2 T3.3 U4.9 | length 2380.8
  Top Layer w20: P8.5 -533.62,-433.95 -460,-507.57 -460,-719.57 -499.06,-758.62 -499.06,-1030.74 -444.41,-1085.38 -444.41,-1162.16 -339.36,-1267.2 -322.65,-1267.2 -263.62,-1326.23 U4.9
  Top Layer w40: R25.2 -1393.62,-313.62 -1365,-285 -1115,-285 -1105,-295 -1105,-368.98 T3.3
  Top Layer w100: -1075,-375 -1031.86,-375 -821.86,-165 -530,-165 -533.62,-168.62 P8.6 P8.5
REG3_3V3: C8.1 C9.1 J12.2 P9.1 U3.2 U3.4 | length 2296.9
  Top Layer w40: P9.1 -2031.89,-2150 -2010.7,-2150 -1992.11,-2131.42 -1866.15,-2131.42 -1847.57,-2150 -1614.29,-2150 -1589.29,-2125 -1478.5,-2125 -1455.71,-2102.2 -1281.54,-2102.2 -1258.74,-2125 -878.62,-2125 -868.62,-2115 ; U3.2 U3.4 ; C9.1 -993.31,-1873.62 U3.4 ; J12.2 -868.62,-2115 ; C8.1 C8.1@-860.63,-1891.73 ; U3.4 C8.1@-860.63,-1891.73 ; -868.62,-2115 -868.62,-1899.72 C8.1@-860.63,-1891.73
RPI-3.3V: J11.1 P2.1 P2.17 P3.1 P4.1 P5.1 R3.2 R7.2 R8.2 R9.2 R10.2 | length 5117.3
  Top Layer w20: P4.1 -1523.62,-2196.73 P3.1 -1491.89,-2165 -1461.93,-2165 -1439.14,-2142.2 -1298.11,-2142.2 -1275.31,-2165 -1230,-2165 -1175,-2220 R3.2 -1074.49,-2262.6 J11.1
  Top Layer w35: -685,-1485.47 -455,-1485.47
  Top Layer w40: J11.1 -1063.62,-2261.73 -1063.62,-2315.5 -1042.39,-2336.73 -834.86,-2336.73 -800,-2301.87 -800,-2155 -685,-2040 -685,-1485.47 ; -455,-1485.47 -159.76,-1485.47 -120,-1445.71 -120,-919.96 R7.2@-131.22,-908.74 ; P2.17 R7.2@-131.22,-908.74 ; P2.1 -131.22,-274.73 R10.2 R9.2 R8.2 R7.2 R7.2@-131.22,-908.74
  Bottom Layer w20: P5.1 -1110.36,50 -773.99,50 -763.99,60 -273.58,60 -160,-53.58 -160,-79.96 P2.1
RX0: P2.10 PoExtension1.3 | length 2400.7
  Top Layer w20: PoExtension1.3 -1560,-1631.1 v2(-1560,-1560)
  Bottom Layer w20: v2(-1560,-1560) -1540,-1540 -1540,-1216.15 -1545,-1211.15 -1545,-1053.73 -1406.27,-915 -617.43,-915 -432.43,-730 -316.5,-730 -256.57,-670.07 -223.43,-670.07 -213.43,-680.07 -164.18,-680.07 -154.18,-670.07 -96.6,-670.07 -68.74,-642.2 -2.24,-642.2 P2.10
RX1: P2.18 PoExtension2.3 | length 2597.9
  Top Layer w15: v2(-1585,-1740) -1584.21,-1740.79 PoExtension2.3
  Bottom Layer w20: v2(-1585,-1740) -1585,-1683.99 -1480,-1578.99 -1480,-1403.99 -1430,-1353.99 -1430,-1296.01 -1440,-1286.01 -1440,-1153.99 -1455,-1138.99 -1455,-1091.01 -1368.99,-1005 -130.05,-1005 -114.05,-989 -97.76,-1005.29 -97.76,-1012.25 -68.74,-1041.26 -27.71,-1041.26 1.3,-1012.25 1.3,-991.73 P2.18
SCL0: J10.2 P2.28 | length 631.2
  Bottom Layer w20: J10.2 -283.33,-1715 -200.15,-1715 -126.41,-1641.26 73.74,-1641.26 97.76,-1617.24 97.76,-1541.26 P2.28
SCL1: P1.8 P2.5 PoExtension1.5 | length 3810.7
  Top Layer w20: v2(-2005,-1390) -2004.09,-1389.09 -1785.22,-1389.09 -1772.56,-1401.76 -1772.56,-1535.49 -1760.84,-1547.2 -1754.28,-1547.2 -1674.21,-1627.27 PoExtension1.5
  Bottom Layer w20: P1.8 -2364.06,-887.17 -2364.06,-1137.12 -2250,-1251.18 -2250,-1282.05 -2217.05,-1315 -2068.99,-1315 -2040,-1343.99 -2040,-1356.57 v2@-2005.78,-1390.78 ; v2(-1675,-1600) -1675,-1515 -1660,-1500 -1660,-1493.43 -1600,-1433.43 -1600,-1241.01 -1605,-1236.01 -1605,-1028.87 -1431.13,-855 -642.28,-855 -249.01,-461.73 -118.23,-461.73 P2.5
SCL2: J9.1 P2.31 PoExtension2.5 | length 2033.1
  Bottom Layer w15: v2(-1675,-2005) -1675,-2000 -1680,-1995 -1672.5,-1987.5 -1515.53,-1987.5 -1510.53,-1982.5 -1484.55,-1982.5 -1397.05,-1895 -730,-1895 -680,-1945 -540,-1945
  Bottom Layer w20: -540,-1945 -185,-1945 -100,-1860 -100,-1805 -145,-1760 J9.1 -126.73,-1691.73 P2.31
SCLK: P2.23 PoExtension1.9 PoExtension2.9 | length 2591
  Top Layer w20: PoExtension2.9@-1883.03,-1955 -1883.03,-1655.32 PoExtension1.9
  Bottom Layer w15: v2(-1880,-1740) -1878.03,-1740 -1845.53,-1772.5 -1772.15,-1772.5 -1763.06,-1781.59 -1674.22,-1781.59 -1623.31,-1832.5 -1546.69,-1832.5 -1492.5,-1778.31 -1492.5,-1748.77 -1453.73,-1710
  Bottom Layer w20: -1453.73,-1710 -1053.73,-1310 -1051.01,-1310 -866.01,-1125 -168.58,-1125 -157.76,-1135.82 -157.76,-1137.1 -105,-1189.86 -105,-1205 -61.4,-1248.6 -61.4,-1277.29 -62.04,-1277.92 P2.23
SDA0: J8.2 P2.27 | length 723.1
  Bottom Layer w20: J8.2 -630,-1720 -615,-1705 -615,-1700 -608.43,-1700 -585,-1676.57 -585,-1670 -570,-1655 -225,-1655 -61.73,-1491.73 P2.27
SDA1: P1.6 P2.3 PoExtension1.6 | length 3464.5
  Top Layer w20: v2(-2000,-1340) -1990,-1350 -1763.03,-1350 -1723.03,-1390 PoExtension1.6
  Bottom Layer w20: P1.6 -2334.06,-957.17 -2334.06,-1124.69 -2220,-1238.75 -2220,-1269.62 -2204.62,-1285 -2056.57,-1285 v2@-2000.78,-1340.78 ; v2(-1725,-1490) -1630,-1395 -1630,-1253.43 -1635,-1248.43 -1635,-1016.45 -1443.55,-825 -654.71,-825 -261.44,-431.73 -188.23,-431.73 P2.3
SDA2: J7.1 P2.29 PoExtension2.6 | length 2696.3
  Top Layer w20: v2(-1780,-2100) -1650,-2100 -1633.74,-2083.74 -1633.74,-1943.92 -1646.4,-1931.26 -1668.43,-1931.26 -1733.03,-1866.65 PoExtension2.6
  Bottom Layer w15: -1769.93,-2005.07 -1702.35,-1937.5 -1536.24,-1937.5 -1531.24,-1932.5 -1505.26,-1932.5 -1417.76,-1845 -701.09,-1845 -683.59,-1862.5 -443.08,-1862.5 -429.17,-1848.59 -429.17,-1791.41 -443.08,-1777.5 -470.07,-1777.5 -421.29,-1728.71
  Bottom Layer w20: v2(-1780,-2100) -1780,-2015.15 -1769.93,-2005.07 ; J7.1 J7.1@-487.57,-1760 ; -426.67,-1834.24 -410,-1817.57 -410,-1717.43 -377.57,-1685 -212.57,-1685 -119.31,-1591.73 P2.29
SFP1_3V3: C2.1 C3.1 J2.1 U1.2 U1.4 | length 1708.5
  Top Layer w20: v2(-1950,-1300) -1931.57,-1300 -1911.57,-1320 -1729.46,-1320 -1684.46,-1365 -1483.43,-1365 -1370,-1251.57 v2(-1370,-1245) ; U1.4 -978.31,-1208.62 C3.1
  Top Layer w40: v2(-1080,-1240) -1071.73,-1231.73 U1.4 -841.61,-1231.73 -849.88,-1240 U1.4@-1001.42,-1240
  Bottom Layer w40: J2.1 -2015,-1240 -1955,-1300 v2(-1950,-1300) ; v2(-1370,-1245) -1360,-1245 -1355,-1250 -1345,-1240 v2(-1234.1,-1240) v2(-1080,-1240)
SFP1_LOS: P1.7 P2.12 R1.2 | length 3595.9
  Top Layer w20: P1.7 -2176.73,-801.73 v2(-2045,-670) ; v2@-2045.95,-669.05 -1865,-488.11 R1.2 ; v2(-1895,-1280) -1895,-1275 -1899.09,-1279.09 -1721.17,-1279.09 -1675.27,-1325 v2(-1500,-1325)
  Bottom Layer w20: v2(-2045,-670) -2045,-1150 -2010,-1185 -1990,-1185 v2(-1895,-1280) ; v2(-1500,-1325) -1500,-1178.85 -1515,-1163.85 -1515,-1066.15 -1393.85,-945 -605,-945 -420,-760 -86.54,-760 -68.74,-742.2 -2.24,-742.2 P2.12
SFP1_PRESENT: P1.10
SFP1_RATE_SEL: J1.1 J3.2 P1.9 | length 205.3
  Bottom Layer w20: J3.2 J1.1 -2170,-693.11 P1.9
SFP1_TX_DISABLE: P1.4 R2.2 | length 842.7
  Top Layer w20: P1.4 -2334.06,-946.3 -2334.06,-669.06 -2300,-635 -2147.6,-635 R2.2
SFP1_TX_FAULT: P1.2
SFP1_VCCR: J1.2 J2.2 P1.1 P1.3 R1.1 | length 979.3
  Bottom Layer w20: J2.2 -2178.62,-1151.38 P1.1 P1.3 -2110,-933.11 J1.2 -1895,-360 v2(-1865,-360)
SFP2_3V3: C5.1 C6.1 J5.1 U2.2 U2.4 | length 1482.5
  Top Layer w40: v2(-1670,-1273.7) -1544.41,-1273.7 -1540.71,-1270 -1530.71,-1280 -1525.71,-1275 -1480,-1275 -1385,-1180 v2(-1370,-1180) ; U2.2 -1115,-1551.73 ; v2(-1125,-1180) -1115,-1190 -1115,-1204.29 -1130,-1219.29 -1130,-1260.71 -1115,-1275.71 -1115,-1551.73 ; C6.1 -993.31,-1548.42 U2.4@-990,-1551.73 ; C5.1 -841.61,-1551.73 U2.4@-990,-1551.73 ; -1115,-1551.73 U2.4 U2.4@-990,-1551.73
  Bottom Layer w40: v2(-1370,-1180) v2(-1125,-1180)
SFP2_LOS: P2.22 P6.7 R5.2 | length 2477.5
  Top Layer w20: P6.7 -1618.62,-671.73 ; R5.2 -1618.62,-671.73 ; v2(-1380,-1115) -1495,-1000 -1495,-795.36 -1618.62,-671.73
  Bottom Layer w20: v2(-1380,-1115) -1380,-1105 -1340,-1065 -133.73,-1065 -97.76,-1100.97 -97.76,-1112.25 -68.74,-1141.26 -2.24,-1141.26 P2.22
SFP2_PRESENT: P6.10
SFP2_RATE_SEL: J4.1 J6.2 P6.9 | length 199.4
  Bottom Layer w20: J6.2 J4.1 -1748.62,-586.38 P6.9
SFP2_SCL: J9.2 J10.1 P6.8 | length 3423.4
  Bottom Layer w15: -1738.71,-2016.29 -1738.71,-2015.68 -1685.53,-1962.5 -1525.89,-1962.5 -1520.89,-1957.5 -1494.91,-1957.5 -1407.41,-1870 -711.44,-1870 -693.94,-1887.5 -432.72,-1887.5 -396.67,-1851.44 -396.67,-1846.67
  Bottom Layer w20: P6.8 -2000,-953.11 -2000,-1118.43 -1855,-1263.43 -1855,-1296.57 -1990,-1431.57 -1990,-1686.01 -2010,-1706.01 -2010,-1926.57 -1796.57,-2140 -1763.43,-2140 -1738.71,-2115.28 -1738.71,-2016.29 ; -396.67,-1846.67 -370,-1820 J10.1 J9.2
SFP2_SDA: J7.2 J8.1 P6.6 | length 2715.2
  Bottom Layer w15: -1946.57,-1900 -1944.8,-1898.23 -1930.53,-1912.5 -1546.6,-1912.5 -1541.6,-1907.5 -1515.62,-1907.5 -1428.12,-1820 J8.1
  Bottom Layer w20: -1946.57,-1900 -1980,-1866.57 -1980,-1718.43 -1960,-1698.43 -1960,-1477.43 -1825,-1342.43 -1825,-1251.01 -1970,-1106.01 -1970,-965.54 -1906.2,-901.73 P6.6 ; J8.1 J7.2
SFP2_TX_DISABLE: P6.4 R4.1 | length 753.7
  Top Layer w20: P6.4 -1943.27,-1001.73 -1975,-970 -1975,-725 -1790,-540 R4.1
SFP2_TX_FAULT: P6.2
SFP2_VCCR: J4.2 J5.2 P6.1 P6.3 R5.1 | length 854.3
  Top Layer w20: v2(-1675,-525) -1675,-365 -1669.33,-359.33 R5.1
  Bottom Layer w20: J5.2 -1720,-1130.36 P6.1 P6.3 -1693.19,-946.3 -1693.19,-581.81 J4.2
SW_1: P2.15 R7.1 R11.2 U4.1 | length 1418.4
  Top Layer w20: R11.2@-271.22,-906.73 -160,-1017.95 -160,-1415 v2(-175,-1430)
  Top Layer w40: R11.2@-271.22,-906.73 R7.1 -205,-905.71 v2(-205,-865)
  Bottom Layer w20: v2@-615,-1530 -605,-1540 -605,-1551.57 -576.57,-1580 -260,-1580 -175,-1495 v2(-175,-1430) ; v2(-205,-865) -74.96,-865 P2.15
  other v2: -615,-1540
SW_2: P2.13 R8.1 R12.2 U4.2 | length 1366.3
  Top Layer w20: U4.2 -563.62,-1536.38 v2(-560,-1540) ; v2(-211.28,-1225) -225,-1211.28 -225,-1180 -324.41,-1080.59 -324.41,-1035.68 -379.06,-981.03 -379.06,-876.13 -364.07,-861.14 -291.14,-861.14 -271.22,-841.22 R12.2 v2(-245,-808.4) R8.1
  Bottom Layer w20: v2(-560,-1540) -560,-1533.43 -331.42,-1304.85 -291.13,-1304.85 v2(-211.28,-1225) ; v2(-245,-808.4) -64.9,-808.4 P2.13
SW_3: P2.11 R9.1 R13.2 U4.3 | length 1403.7
  Top Layer w20: U4.3@-510,-1535 U4.3@-510,-1525 ; R13.2 -271.22,-746.22 -285,-760 -373.15,-760 -387.68,-774.52 -387.68,-842.32 -409.06,-863.7 -409.06,-993.46 -354.41,-1048.1 -354.41,-1093.02 -255,-1192.43 -255,-1237.85 -212.85,-1280 v2(-200,-1280)
  Bottom Layer w20: v2(-510,-1540) -510,-1533.43 -476.57,-1500 -430,-1500 -210,-1280 v2(-200,-1280) ; v2(-240,-710.07) -66.56,-710.07 P2.11
SW_4: P2.7 R10.1 R14.2 U4.4 | length 1762.1
  Top Layer w20: U4.4 -463.62,-1528.62 -460,-1532.25 v2(-460,-1540) ; v2(-215.36,-1399.64) -215.36,-1331.48 -249.63,-1297.2 -250.22,-1297.2 -285,-1262.43 -285,-1204.85 -384.41,-1105.44 -384.41,-1060.53 -439.06,-1005.88 -439.06,-851.27 -417.68,-829.9 -417.68,-762.1 -387.68,-732.1 -387.68,-577.86 -369.82,-560 -290,-560 -271.22,-578.78 R14.2 R10.1
  Bottom Layer w20: v2(-460,-1540) -355,-1540 -215.36,-1400.36 v2(-215.36,-1399.64) ; v2(-240,-600) -168.97,-600 -81.17,-512.2 -68.7,-512.2 P2.7
SW_5: P2.35 U4.5 | length 520.1
  Top Layer w20: U4.5 -413.62,-1610.25 -132.14,-1891.73 P2.35
SW_5V: C1.1 C4.1 C7.1 R18.1 T1.2 T1.4 U1.3 U2.3 U3.3 | length 2427.9
  Top Layer w40: U3.3 -1239.96,-1986.42 -1310,-1986.42 -1310,-1637.36 C4.1@-1310.95,-1636.42 ; U2.3 -1310.08,-1642.28 C4.1@-1310.95,-1636.42 ; U1.3 -1226.69,-1321.42 C1.1 ; T1.2 -1183.62,-914.13 R18.1 -1181.02,-585.16 T1.4 -1196.18,-570 -1425,-570 -1455,-600 -1455,-905 -1320,-1040 -1320,-1320.47 C1.1 ; C1.1 -1315.95,-1326.42 C4.1@-1310.95,-1636.42
SW_6: P2.33 U4.6 | length 429.4
  Top Layer w20: U4.6 -363.62,-1611.52 -183.41,-1791.73 P2.33
SW_7: P2.32 U4.7 | length 479.9
  Top Layer w20: U4.7 -313.62,-1619.1 -191.46,-1741.26 -1.3,-1741.26 P2.32
TX0: P2.8 PoExtension1.4 | length 2350.6
  Bottom Layer w20: v2(-1620,-1510) -1570,-1460 -1570,-1228.58 -1575,-1223.58 -1575,-1041.3 -1418.7,-885 -629.85,-885 -444.85,-700 -328.93,-700 -268.99,-640.07 -211.01,-640.07 -201.01,-650.07 -176.6,-650.07 -68.74,-542.2 -28.66,-542.2 -16.43,-529.98 9.98,-529.98 P2.8
TX1: P2.16 PoExtension2.4 | length 2543.6
  Top Layer w20: PoExtension2.4 -1633.03,-1721 -1624.69,-1712.65 -1624.69,-1569.69 v2@-1620,-1565
  Bottom Layer w20: v2(-1620,-1560) -1616.57,-1560 -1576.57,-1600 -1543.43,-1600 -1510,-1566.57 -1510,-1391.57 -1460,-1341.57 -1460,-1308.43 -1470,-1298.43 -1470,-1166.42 -1485,-1151.42 -1485,-1078.58 -1381.42,-975 -142.48,-975 -108.74,-941.26 -1.3,-941.26 P2.16
VCC: J11.2 J12.1 P7.1 PoExtension1.1 PoExtension2.1 | length 1540
  Top Layer w20: P7.1@-621.89,-2345 P7.1
  Top Layer w40: PoExtension1.1 -1484.21,-1655.32 -1484.21,-1709.71 -1482.38,-1711.55 -1476.82,-1711.55 -1444.69,-1743.68 -1444.69,-1917.51 -1484.21,-1957.04 PoExtension2.1 -1449.68,-2010.32 -1410,-2050 -1232.83,-2050 -1212.83,-2030 -1040,-2030 v2(-1025,-2045)
  Bottom Layer w40: v2(-1025,-2045) -970,-2100 v2(-970,-2255) -893.27,-2331.73 P7.1
pads on no net: J1.SM J2.SM J3.SM J4.SM J5.SM J6.SM J7.SM J8.SM J9.SM J10.SM J11.SM J12.SM
copper on no net: | length 35.4
  Top Layer w40: -2370,-470 -2345,-495

## Polygon pours and split planes (outlines as drawn)
GND on Top Layer "Top Layer-GND" (solid, pour order 6): -2425.8,143.27 -2420.8,138.27 -2420.8,-2421.73 136.38,-2421.73 136.38,143.27
GND on Bottom Layer "Bot Layer-GND1" (solid, pour order 5): -2425.8,143.27 -2420.8,138.27 -2420.8,-2421.73 136.38,-2421.73 136.38,143.27

## Silkscreen, mask and mechanical layers (free items; w line width, h text height)
Top Overlay:
  text "+ 24V -" at -2025,-60 h60 r270
  text "SFP2" at -1605,-550 h60 r270
  text "SFP1" at -2045,-570 h60 r270
  text "+9V-" at -2045,-1355 h80 r270
  text "EXP1" at -1620,-1385 h60
  text "KORUZA RPi" at -725,-1800 h60
  text "+9V-" at -2055,-1840 h80 r270
  text "v0.2" at -730,-1890 h60
  text "IRNAS" at -720,-1995 h60
  text "www.koruza.net" at -920,-2095 h60
  text "+ 1w -" at -1565,-2125 h60
  text "EXP2" at -1880,-2160 h60
  text "16" at -485,-2265 h60 r90
  text "21" at -285,-2270 h60 r90
  text "-" at -230,-2270 h60
  text "+" at -630,-2275 h60
  text "20" at -385,-2275 h60 r90
  text "las" at -2345,-2400 h60 r90
  text "- +" at -2315,-2415 h60
Bottom Overlay:
  text "POWER" at -1025,-450 h60 r270
  text "5V" at -765,-525 h60 r270
  text "9V" at -675,-530 h60 r270
  text "GND" at -360,-585 h60 r270
  text "24V" at -570,-590 h60 r270
  text "GND" at -460,-590 h60 r270
Mechanical 3:
  lines w10: -2425.8,143.27 136.38,143.27 136.38,-2421.73 -2420.8,-2421.73 -2420.8,137.47 -2415,143.27